# Altium PCB LPCB220R0.PcbDoc (part 2 of 4) (continued)
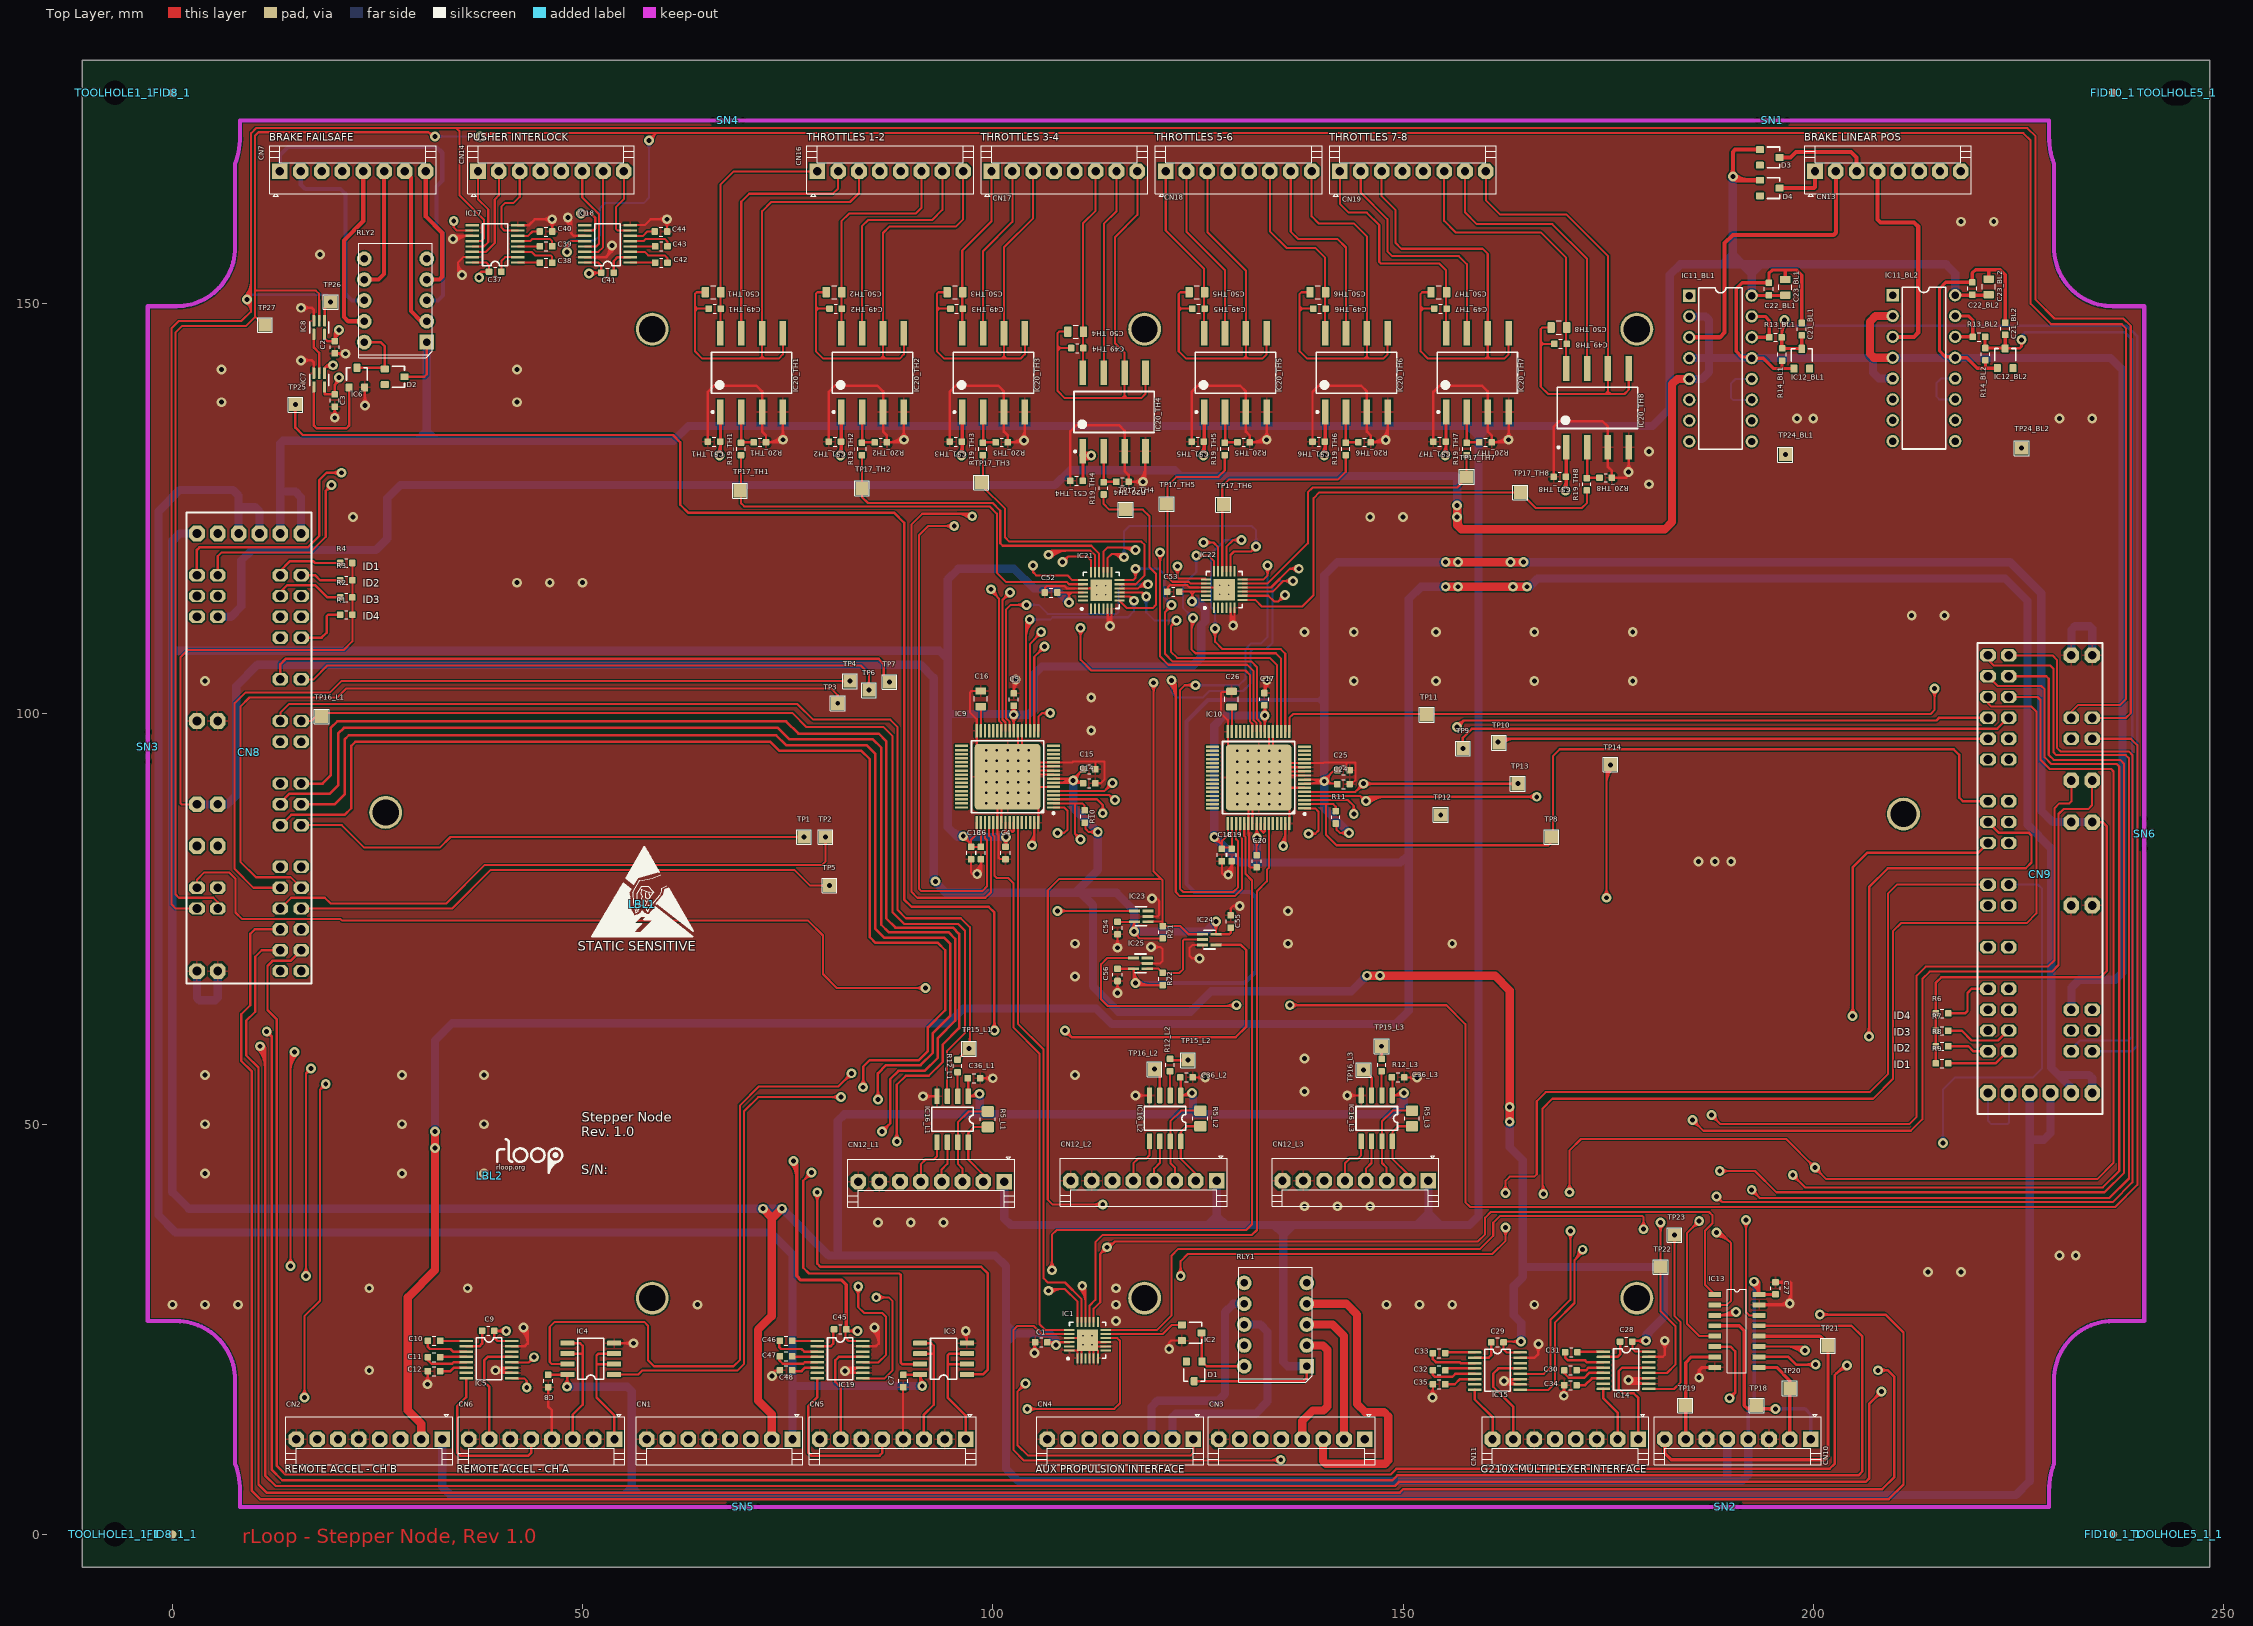
[diagram p0: Top Layer view]
## Nets (pads, with @x,y where several pads share a name; then routed paths per layer and width w, separated by ;. In a path a pad name is that pad's centre, name@x,y a point inside that pad or via, vN(x,y) a via of type N, cw(c..) or ccw(c..) an arc to the next point about the centre after c; other vN are vias at no path point) (continued)
  Top Layer w0.4: R14_BL2.2@220.94,144.65 R13_BL2.1@220.94,145.95 ; R14_BL2.2@220.99,144.6 IC12_BL2.3@223.34,144.6 ; IC12_BL2.3@223.39,144.55 C21_BL2.1@223.39,146.2
  Mid-Layer 1 w0.254: v1(19.4,127.9) 21.3,127.9 23,129.6 163.6,129.6 163.9,129.3 163.9,124.1 164.5,123.5 223.1,123.5 225.4,125.8 v1(225.4,145.6) ; v1@19.734,127.566 cw(c20.542,126.758) 20.542,127.9 cw(c20.542,129.042) v1@19.734,128.234 ; v1@225.066,145.266 cw(c224.258,144.458) 225.4,144.458 cw(c226.542,144.458) v1@225.734,145.266
  Bottom Layer w0.3: v1(225.4,145.6) 225.4,146.1 225.8,146.5 ; v1@225.519,145.691 cw(c225.862,145.952) 225.557,146.257 ; v1@225.758,145.873 cw(c226.138,146.162) 225.8,146.5 ; CN9.A11@231.46,58.88 231.46,59.16 232.5,60.2 238.4,60.2 238.9,60.7 238.9,145.6 238,146.5 225.8,146.5
  other v1: 225.4,132.4
CHA_ACCEL0_NINT: CN8.T2 IC19.9 | length 180
  Top Layer w0.254: v1@15.966,31.834 ccw(c15.158,32.642) 16.3,32.642 ccw(c17.442,32.642) v1@16.634,31.834 ; v1(16.3,31.5) 16.3,56.2 ; v1@16.44,56.691 cw(c15.929,56.571) 16.3,56.2 ; v1@16.791,56.34 ccw(c16.671,55.829) 16.3,56.2 ; v1(16.9,56.8) 16.3,56.2 ; IC19.9@84.175,19.025 86.825,19.025 87.8,20 87.8,28.4 87.3,28.9 v1(85.8,28.9) ; v1@86.134,28.566 cw(c86.942,27.758) 86.942,28.9 cw(c86.942,30.042) v1@86.134,29.234
  Mid-Layer 1 w0.254: CN8.T2@13.16,96.6 11.2,96.6 10.6,96 10.6,78.3 11.3,77.6 20.5,77.6 21.5,76.6 21.5,57.3 21,56.8 v1(16.9,56.8) ; v1(16.3,31.5) 17.8,33 81.3,33 81.9,32.4 81.9,29.4 82.4,28.9 v1(85.8,28.9) ; v1@16.3,31.973 ccw(c16.3,33.115) 17.107,32.307 ccw(c17.915,31.5) v1@16.773,31.5 ; v1@17.234,56.466 cw(c18.042,55.658) 18.042,56.8 cw(c18.042,57.942) v1@17.234,57.134 ; v1@85.466,28.566 ccw(c84.658,27.758) 84.658,28.9 ccw(c84.658,30.042) v1@85.466,29.234
CHA_ACCEL1_NINT: CN8.T5 IC19.12 | length 188.8
  Top Layer w0.254: v1@14.066,33.034 ccw(c13.258,33.842) 14.4,33.842 ccw(c15.542,33.842) v1@14.734,33.034 ; v1(14.4,32.7) 14.4,58.3 ; 14.4,56.451 cw(c17.249,56.451) v1@15.234,58.466 ; 14.4,57.064 cw(c16.636,57.064) v1@15.055,58.645 ; 14.4,57.677 cw(c16.023,57.677) v1@14.875,58.825 ; 14.4,58.291 cw(c15.409,58.291) v1@14.696,59.004 ; v1@14.463,58.619 cw(c14.194,58.506) 14.4,58.3 ; v1@14.719,58.363 ccw(c14.606,58.094) 14.4,58.3 ; v1(14.9,58.8) 14.4,58.3 ; v1@83.266,29.866 cw(c82.458,29.058) 83.6,29.058 cw(c84.742,29.058) v1@83.934,29.866 ; v1(83.6,30.2) 83.6,27.7 84.3,27 86.5,27 87,26.5 87,21.9 86.075,20.975 IC19.12@84.175,20.975
  Mid-Layer 1 w0.254: v1(14.4,32.7) 15.4,33.7 82.9,33.7 83.6,33 v1(83.6,30.2) ; v1@14.4,33.173 ccw(c14.4,34.315) 15.207,33.507 ccw(c16.015,32.7) v1@14.873,32.7 ; v1(14.9,58.8) 20,58.8 20.6,59.4 20.6,74.2 19.8,75 10.5,75 10,75.5 10,96.8 11.1,97.9 14.4,97.9 CN8.T5@15.7,96.6 ; v1@15.234,58.466 cw(c16.042,57.658) 16.042,58.8 cw(c16.042,59.942) v1@15.234,59.134 ; v1@83.266,30.534 ccw(c82.458,31.342) 83.6,31.342 ccw(c84.742,31.342) v1@83.934,30.534
CHA_AUXPROP_DIR: CN8.T6 IC1.10 | length 211.9
  Top Layer w0.254: v1@15.766,17.034 ccw(c14.958,17.842) 16.1,17.842 ccw(c17.242,17.842) v1@16.434,17.034 ; v1(16.1,16.7) 16.1,26.6 18,28.5 18,54.2 ; v1@18.23,54.85 cw(c17.435,54.765) 18,54.2 ; v1@18.65,54.43 ccw(c18.565,53.635) 18,54.2 ; v1(18.7,54.9) 18,54.2 ; v1(104.2,15.3) 114.8,15.3 115.5,16 115.5,23.6 115.175,23.925 IC1.10@113.775,23.925 ; v1@104.534,14.966 cw(c105.342,14.158) 105.342,15.3 cw(c105.342,16.442) v1@104.534,15.634
  Mid-Layer 1 w0.254: CN8.T6@13.16,91.52 11.62,91.52 11.3,91.2 11.3,80.7 11.9,80.1 21.5,80.1 22.9,78.7 22.9,55.7 22.1,54.9 v1(18.7,54.9) ; v1@16.1,16.227 cw(c16.1,15.085) 16.907,15.893 cw(c17.715,16.7) v1@16.573,16.7 ; v1(16.1,16.7) 17.5,15.3 v1(104.2,15.3) ; v1@19.034,54.566 cw(c19.842,53.758) 19.842,54.9 cw(c19.842,56.042) v1@19.034,55.234 ; v1@103.866,14.966 ccw(c103.058,14.158) 103.058,15.3 ccw(c103.058,16.442) v1@103.866,15.634
CHA_BRAKE1_DIR: CN8.T24 IC13.3 | length 322.1
  Top Layer w0.3: CN8.T24@13.16,71.2 10.9,71.2 10.1,70.4 10.1,63.7 9,62.6 9,58.4 10.5,56.9 10.5,6.1 11.5,5.1 149.6,5.1 150,5.5 208.4,5.5 209.9,7 209.9,19.2 209.1,20 v1(207.9,20) ; IC13.3@188,26.705 190.205,26.705 v1(190.6,27.1) ; IC13.3@188.56,26.705 ccw(c188.56,29.14) v1@190.282,27.418 ; 189.284,26.705 ccw(c189.284,28.416) v1@190.494,27.206 ; 190.009,26.705 ccw(c190.009,27.691) v1@190.706,26.994 ; v1@208.218,19.682 cw(c208.986,18.914) 208.986,20 cw(c208.986,21.086) v1@208.218,20.318
  Mid-Layer 1 w0.3: v1(190.6,27.1) 195.1,27.1 195.7,26.5 195.7,18.7 196.2,18.2 206.1,18.2 v1(207.9,20) ; v1@190.918,26.782 cw(c191.686,26.014) 191.686,27.1 cw(c191.686,28.186) v1@190.918,27.418 ; v1@207.45,20 cw(c206.364,20) 207.132,19.232 cw(c207.9,18.464) v1@207.9,19.55
CHA_BRAKE1_STEP: CN8.T25 IC13.10 | length 289.3
  Top Layer w0.3: CN8.T25@15.7,71.2 14.4,69.9 12.2,69.9 11.6,69.3 11.6,63.9 12.7,62.8 12.7,8.4 13.8,7.3 148.5,7.3 149.2,8 202,8 202.6,8.6 202.6,19.4 203.8,20.6 v1(204.1,20.6) ; IC13.10@193.4,21.625 196.975,21.625 197.9,20.7 v1(200.3,20.7) ; v1@199.982,20.382 ccw(c199.214,19.614) 199.214,20.7 ccw(c199.214,21.786) v1@199.982,21.018 ; 202.82,19.62 cw(c204.1,18.339) v1@204.1,20.15 ; 203.332,20.132 cw(c204.1,19.364) v1@204.1,20.45 ; 203.544,20.344 ccw(c203.288,20.6) v1@203.65,20.6
  Mid-Layer 1 w0.3: v1(200.3,20.7) 204,20.7 v1(204.1,20.6) ; v1@200.618,20.382 cw(c201.386,19.614) 201.386,20.7 cw(c201.386,21.786) v1@200.618,21.018 ; 202.772,20.7 cw(c202.772,19.272) v1@203.782,20.282 ; 203.255,20.7 ccw(c203.255,21.445) v1@203.782,20.918 ; 203.496,20.7 cw(c203.496,19.996) v1@203.994,20.494
CHA_BRAKE2_DIR: CN8.T26 IC13.6 | length 315.8
  Top Layer w0.3: v1@10.382,59.182 cw(c8.165,56.965) 11.3,56.965 ; v1@10.594,59.394 cw(c8.889,57.689) 11.3,57.689 ; v1@10.806,59.606 cw(c9.614,58.414) 11.3,58.414 ; v1@10.9,59.7 11.3,59.3 11.3,7.2 12.6,5.9 149,5.9 149.5,6.4 206.4,6.4 206.8,6.8 206.8,15.9 v1(208.3,17.4) ; v1@11.018,59.818 cw(c10.338,59.138) 11.3,59.138 ; IC13.6@188,22.895 189.905,22.895 190.5,22.3 190.5,17.3 ; v1(189.8,16.6) 190.5,17.3 ; v1@189.831,17.049 ccw(c189.889,17.911) 190.5,17.3 ; v1@190.249,16.631 cw(c191.111,16.689) 190.5,17.3 ; v1@207.85,17.4 cw(c206.764,17.4) 207.532,16.632 cw(c208.3,15.864) v1@208.3,16.95
  Mid-Layer 1 w0.3: v1@10.25,59.5 ccw(c9.164,59.5) 9.932,60.268 ccw(c10.7,61.036) v1@10.7,59.95 ; v1(10.7,59.5) 9.8,60.4 9.8,62.2 10.7,63.1 ; 12,63.1 10.7,63.1 ; CN8.T26@13.16,68.66 13.16,63.96 12.3,63.1 10.7,63.1 ; v1(189.8,16.6) 207.5,16.6 v1(208.3,17.4) ; v1@190.118,16.282 cw(c190.886,15.514) 190.886,16.6 cw(c190.886,17.686) v1@190.118,16.918 ; v1@207.85,17.4 cw(c206.764,17.4) 207.532,16.632 cw(c208.3,15.864) v1@208.3,16.95
CHA_BRAKE2_STEP: CN8.T27 IC13.13 | length 292.1
  Top Layer w0.3: v1(11.5,61.3) 12.1,60.7 ; v1@11.585,60.858 cw(c11.693,60.293) 12.1,60.7 ; v1@11.942,61.215 ccw(c12.507,61.107) 12.1,60.7 ; IC13.13@193.4,25.435 204.665,25.435 206,24.1 206,7.7 205.5,7.2 149.3,7.2 148.7,6.6 13.4,6.6 12.1,7.9 12.1,60.7
  Mid-Layer 1 w0.3: v1(11.5,61.3) 15.1,61.3 15.7,61.9 CN8.T27@15.7,68.66 ; v1@11.818,60.982 cw(c12.586,60.214) 12.586,61.3 cw(c12.586,62.386) v1@11.818,61.618
CHA_DAC_NCNVT: CN8.T21 IC9.3 TP5.1 | length 131
  Top Layer w0.254: CN8.T21@15.7,76.28 34.08,76.28 38.8,81 75.8,81 77.7,79.1 v1(80.1,79.1) ; TP5.1@79.766,78.766 ccw(c78.958,77.958) 78.958,79.1 ccw(c78.958,80.242) TP5.1@79.766,79.434 ; IC9.3@107.4,89.6 112.7,89.6 113.4,88.9 ; v1@113.1,88.266 ccw(c112.58,88.9) 113.4,88.9 ; v1(113.4,87.9) 113.4,88.9 ; v1@113.7,88.266 cw(c114.22,88.9) 113.4,88.9
  Mid-Layer 1 w0.254: v1@80.075,79.125 cw(c80.74,78.46) 80.74,79.4 ; v1(80.1,79.1) 80.4,79.4 86.8,79.4 88.4,81 94.1,81 94.7,80.4 94.7,78.7 95.1,78.3 100.7,78.3 101.3,78.9 113.7,78.9 114.4,79.6 114.4,86.5 113.4,87.5 v1(113.4,87.9) ; v1@80.255,78.945 cw(c81.353,77.847) 81.353,79.4 ; v1@80.434,78.766 cw(c81.966,77.234) 81.966,79.4 ; v1@113.365,87.902 ccw(c114.148,87.861) 113.593,87.307 ; v1@113.619,87.888 ccw(c114.914,87.82) 113.997,86.903 ; v1@113.872,87.875 ccw(c115.68,87.78) 114.4,86.5
CHA_DAC_NDAV: CN8.T11 IC9.2 R10.1 TP1.1 | length 123
  Top Layer w0.254: CN8.T11@15.7,86.44 20.66,86.44 23.4,83.7 32.6,83.7 33.9,85 v1(77,85) ; TP1.1@76.666,84.666 ccw(c75.858,83.858) 75.858,85 ccw(c75.858,86.142) TP1.1@76.666,85.334 ; IC9.2@107.4,89.1 110,89.1 ; v1@110.23,84.75 ccw(c109.435,84.835) 110,85.4 ; v1@110.65,85.17 cw(c110.565,85.965) 110,85.4 ; v1(110.7,84.7) 110,85.4 ; R10.1@111.2,88.25 111.2,88.8 110.9,89.1 110,89.1 ; 110,85.4 110,89.1
  Mid-Layer 1 w0.254: v1@76.666,84.666 cw(c75.858,83.858) 77,83.858 cw(c78.142,83.858) v1@77.334,84.666 ; v1(77,85) 77,82.5 77.8,81.7 88.9,81.7 94.8,81.7 95.4,81.1 95.4,79.1 95.7,78.8 100.615,78.8 101.215,79.4 110.1,79.4 110.7,80 v1(110.7,84.7) ; v1@110.366,84.366 cw(c109.558,83.558) 110.7,83.558 cw(c111.842,83.558) v1@111.034,84.366
CHA_DAC_NRST: CN8.T20 IC9.1 TP2.1 | length 123.1
  Top Layer w0.254: CN8.T20@13.16,76.28 14.48,77.6 18.6,77.6 19.3,76.9 33.4,76.9 38.1,81.6 79.2,81.6 79.6,82 v1(79.6,85) ; TP2.1@79.266,84.666 cw(c78.458,83.858) 79.6,83.858 cw(c80.742,83.858) TP2.1@79.934,84.666 ; IC9.1@107.4,88.6 108.7,88.6 109.1,88.2 109.1,85.9 108.7,85.5 ; v1(107.9,85.5) 108.7,85.5 ; v1@108.314,85.272 cw(c108.7,85.06) 108.7,85.5 ; v1@108.314,85.728 ccw(c108.7,85.94) 108.7,85.5
  Mid-Layer 1 w0.254: v1@79.266,84.666 cw(c78.458,83.858) 79.6,83.858 cw(c80.742,83.858) v1@79.934,84.666 ; v1(79.6,85) 79.6,82.6 80,82.2 89.7,82.2 95.4,82.2 96,81.6 96,79.6 96.3,79.3 100.2,79.3 100.9,80 107.6,80 107.9,80.3 v1(107.9,85.5) ; v1@107.566,85.166 cw(c106.758,84.358) 107.9,84.358 cw(c109.042,84.358) v1@108.234,85.166
CHA_I2C_SCL: CN8.SCL IC3.7 IC9.5 TP6.1 | length 256.6
  Top Layer w0.254: CN8.SCL@15.7,104.22 17.22,104.22 18.9,105.9 83.9,105.9 84.9,104.9 v1(84.9,102.9) ; TP6.1@84.566,103.234 ccw(c83.758,104.042) 84.9,104.042 ccw(c86.042,104.042) TP6.1@85.234,103.234 ; IC9.5@107.4,90.6 113.6,90.6 v1(114.6,91.6) ; v1@114.127,91.6 cw(c112.985,91.6) 113.793,90.793 cw(c114.6,89.985) v1@114.6,91.127
  Top Layer w0.3: v1@77.45,44.1 cw(c76.364,44.1) 77.132,43.332 cw(c77.9,42.564) v1@77.9,43.65 ; v1(77.9,44.1) 76.9,43.1 76.9,32.5 77.6,31.8 88.6,31.8 88.8,31.6 88.8,20.9 88.935,20.765 IC3.7@91.15,20.765
  Mid-Layer 1 w0.254: v1(84.9,102.9) 85.5,102.3 88.6,102.3 89.3,103 89.3,104.5 89.6,104.8 98.6,104.8 99.7,105.9 113.6,105.9 114.6,104.9 114.6,96.7 v1(114.6,91.6) ; v1@114.266,91.934 ccw(c113.458,92.742) 114.6,92.742 ccw(c115.742,92.742) v1@114.934,91.934
  Mid-Layer 1 w0.3: v1@77.582,44.418 ccw(c76.814,45.186) 77.9,45.186 ccw(c78.986,45.186) v1@78.218,44.418 ; v1(77.9,44.1) 77.9,59.8 79.1,61 88.1,61 89.4,62.3 89.4,77 89.8,77.4 101.3,77.4 102.2,78.3 114.3,78.3 115,79 115,87.8 113.8,89 113.8,90.8 v1(114.6,91.6) ; v1@114.15,91.6 cw(c113.064,91.6) 113.832,90.832 cw(c114.6,90.064) v1@114.6,91.15
CHA_I2C_SDA: CN8.SDA IC3.1 IC9.4 TP7.1 | length 273
  Top Layer w0.254: IC9.4@107.4,90.1 114.2,90.1 ; v1@114.427,89.519 ccw(c113.65,89.55) 114.2,90.1 ; v1@114.768,89.954 cw(c114.607,90.507) 114.2,90.1 ; v1(114.9,89.5) 114.8,89.5 114.2,90.1
  Top Layer w0.3: CN8.SDA@13.16,104.22 13.16,106.06 13.8,106.7 86.1,106.7 86.7,106.1 86.7,104.6 v1(87.4,103.9) ; v1@78.282,41.382 cw(c77.514,40.614) 78.6,40.614 cw(c79.686,40.614) v1@78.918,41.382 ; v1(78.6,41.7) 78.6,33 79,32.6 98.6,32.6 99.4,31.8 99.4,20.1 98.795,19.495 IC3.1@96.85,19.495 ; TP7.1@86.951,103.931 ccw(c86.089,103.989) 86.7,104.6 ccw(c87.311,105.211) TP7.1@87.369,104.349
  Mid-Layer 1 w0.3: v1(78.6,41.7) 79.9,43 79.9,59.3 80.4,59.8 89.6,59.8 90.4,60.6 90.4,75.7 91.4,76.7 102.1,76.7 103.1,77.7 116.4,77.7 117.1,78.4 117.1,89.9 ; v1@78.6,42.15 ccw(c78.6,43.236) 79.368,42.468 ccw(c80.136,41.7) v1@79.05,41.7 ; v1(87.4,103.9) 88.9,105.4 98.2,105.4 99.3,106.5 116.2,106.5 117.1,105.6 117.1,97.6 117.1,89.9 ; v1@87.4,104.35 ccw(c87.4,105.436) 88.168,104.668 ccw(c88.936,103.9) v1@87.85,103.9 ; v1(114.9,89.5) 116.7,89.5 117.1,89.9 ; v1@115.218,89.182 cw(c115.986,88.414) 115.986,89.5 cw(c115.986,90.586) v1@115.218,89.818
CHA_NDSC_CLR0: CN8.T16 IC9.17 TP4.1 | length 147.8
  Top Layer w0.254: CN8.T16@13.16,78.82 9.88,78.82 7.6,81.1 7.6,101.3 8.9,102.6 19.2,102.6 20.6,104 v1(82.6,104) ; TP4.1@82.266,103.666 ccw(c81.458,102.858) 81.458,104 ccw(c81.458,105.142) TP4.1@82.266,104.334 ; IC9.17@105.55,97.95 105.55,99.65 106,100.1 ; v1@106.634,99.8 ccw(c106,99.28) 106,100.1 ; v1@106.634,100.4 cw(c106,100.92) 106,100.1 ; v1(107,100.1) 106,100.1
  Mid-Layer 1 w0.254: v1@82.266,103.666 cw(c81.458,102.858) 82.6,102.858 cw(c83.742,102.858) v1@82.934,103.666 ; v1(82.6,104) 82.6,101.9 83.4,101.1 89.2,101.1 89.9,101.8 89.9,103.8 90.4,104.3 99.1,104.3 100.2,105.4 106.5,105.4 107,104.9 v1(107,100.1) ; v1@106.666,100.434 ccw(c105.858,101.242) 107,101.242 ccw(c108.142,101.242) v1@107.334,100.434
CHA_NDSC_CLR1: CN8.T17 IC9.63 TP3.1 | length 157
  Top Layer w0.254: CN8.T17@15.7,78.82 14.42,80.1 10.2,80.1 8.3,82 8.3,100.9 9.4,102 20.1,102 21.2,103.1 80.3,103.1 81.1,102.3 ; TP3.1@80.8,101.666 ccw(c80.28,102.3) 81.1,102.3 ; v1(81.1,101.3) 81.1,102.3 ; TP3.1@81.4,101.666 cw(c81.92,102.3) 81.1,102.3 ; v1@104.466,84.334 ccw(c103.055,85.745) 105.05,85.745 ; v1@104.645,84.155 ccw(c103.668,85.132) 105.05,85.132 ; v1(104.8,84) 105.05,84.25 IC9.63@105.05,86.75
  Mid-Layer 1 w0.254: v1@80.766,100.966 cw(c79.958,100.158) 81.1,100.158 cw(c82.242,100.158) v1@81.434,100.966 ; v1(81.1,101.3) 81.1,99 81.9,98.2 105.8,98.2 106.6,97.4 106.6,85.5 105.1,84 v1(104.8,84) ; v1@104.8,84.219 ccw(c104.8,85.472) 105.686,84.586 ; v1@104.8,84.473 ccw(c104.8,86.339) 106.12,85.02 ; v1@105.273,84 cw(c105.691,84) 105.395,84.295
CHA_WDT_PULSE: CN8.T28 IC23.4 | length 145.4
  Top Layer w0.254: CN8.T28@3,78.82 3,79.8 3.9,80.7 6.9,80.7 7.7,79.9 7.7,75.8 8.5,75 20.5,75 20.7,74.8 77.5,74.8 79.3,73 79.3,68.3 81,66.6 v1(91.8,66.6) ; v1@91.466,66.266 ccw(c90.658,65.458) 90.658,66.6 ccw(c90.658,67.742) v1@91.466,66.934 ; v1(107.9,76) 107.92,75.98 IC23.4@117.262,75.98 ; v1@108.234,75.666 cw(c108.993,74.907) 108.993,75.98 ; v1@108.234,76.334 ccw(c109.091,77.191) 109.091,75.98
  Mid-Layer 1 w0.254: v1@91.466,66.934 ccw(c90.658,67.742) 91.8,67.742 ccw(c92.942,67.742) v1@92.134,66.934 ; v1(91.8,66.6) 91.8,74.3 92.3,74.8 ; 95.5,74.8 92.3,74.8 ; v1@107.566,75.666 ccw(c106.758,74.858) 106.758,76 ccw(c106.758,77.142) v1@107.566,76.334 ; v1(107.9,76) 99.6,76 98.4,74.8 92.3,74.8
CHB_ACCEL0_NINT: CN9.T2 IC5.9 | length 255.2
  Top Layer w0.254: IC5.9@41.375,19.025 42.875,19.025 43.2,18.7 ; v1@42.972,18.314 ccw(c42.76,18.7) 43.2,18.7 ; v1(43.2,17.9) 43.2,18.7 ; v1@43.428,18.314 cw(c43.64,18.7) 43.2,18.7
  Mid-Layer 1 w0.254: v1@42.866,17.566 cw(c42.058,16.758) 43.2,16.758 cw(c44.342,16.758) v1@43.534,17.566 ; v1(43.2,17.9) 43.2,16.2 43.6,15.8 101.8,15.8 102.5,16.5 123.4,16.5 123.9,17 123.9,31.1 124.9,32.1 183.4,32.1 184.4,33.1 184.4,38.5 187.3,41.4 187.3,46.4 188,47.1 215.2,47.1 v1(215.8,47.7)
  Bottom Layer w0.254: v1@215.466,48.034 ccw(c214.658,48.842) 215.8,48.842 ccw(c216.942,48.842) v1@216.134,48.034 ; v1(215.8,47.7) 215.8,54.2 217.3,55.7 226.8,55.7 227.9,56.8 227.9,78.7 227.4,79.2 CN9.T2@223.84,79.2
CHB_ACCEL1_NINT: CN9.T5 IC5.12 | length 255.5
  Top Layer w0.254: IC5.12@41.375,20.975 43.475,20.975 ; v1@43.636,21.507 cw(c43.058,21.392) 43.475,20.975 ; v1@44.007,21.136 ccw(c43.892,20.558) 43.475,20.975 ; v1(44.1,21.6) 43.475,20.975 ; v1@122.566,31.834 ccw(c121.758,32.642) 122.9,32.642 ccw(c124.042,32.642) v1@123.234,31.834 ; v1(122.9,31.5) 122.9,33.3 123.8,34.2 160.9,34.2 162.5,35.8 v1(162.5,37.4) ; v1@162.166,37.066 cw(c161.358,36.258) 162.5,36.258 cw(c163.642,36.258) v1@162.834,37.066 ; v1@162.166,41.934 ccw(c161.358,42.742) 162.5,42.742 ccw(c163.642,42.742) v1@162.834,41.934 ; v1(162.5,41.6) 162.5,43.1 163,43.6 166,43.6 166.3,43.9 166.3,52.8 167.4,53.9 206.9,53.9 209.1,56.1 209.1,78.1 210.2,79.2 CN9.T5@221.3,79.2
  Mid-Layer 1 w0.254: v1@43.766,21.934 ccw(c42.958,22.742) 44.1,22.742 ccw(c45.242,22.742) v1@44.434,21.934 ; v1(44.1,21.6) 44.1,31.6 44.6,32.1 80.3,32.1 80.5,31.9 80.5,28.8 81.6,27.7 106.6,27.7 110.8,31.9 122.5,31.9 v1(122.9,31.5) ; 120.792,31.9 cw(c120.792,29.392) v1@122.566,31.166 ; 121.406,31.9 cw(c121.406,30.006) v1@122.745,31.345 ; 122.019,31.9 cw(c122.019,30.619) v1@122.925,31.525 ; v1@162.166,37.734 ccw(c161.358,38.542) 162.5,38.542 ccw(c163.642,38.542) v1@162.834,37.734 ; v1@162.166,41.266 cw(c161.358,40.458) 162.5,40.458 cw(c163.642,40.458) v1@162.834,41.266 ; v1(162.5,37.4) v1(162.5,41.6)
CHB_AUXPROP_DIR: CN9.T6 IC1.12 | length 178.4
  Top Layer w0.254: IC1.12@113.775,24.925 120.025,24.925 121.8,26.7 121.8,34 122.6,34.8 159.4,34.8 161,36.4 161,38 161.8,38.8 179.2,38.8 179.3,38.7 v1(179.3,37.2) ; v1@178.966,37.534 ccw(c178.158,38.342) 179.3,38.342 ccw(c180.442,38.342) v1@179.634,37.534
  Mid-Layer 1 w0.254: v1(179.3,37.2) 180.1,38 ; v1@179.303,37.673 ccw(c179.311,38.789) 180.1,38 ; v1@179.773,37.203 cw(c180.889,37.211) 180.1,38 ; CN9.T6@223.84,84.28 229.12,84.28 229.6,83.8 229.6,58 228.3,56.7 219.4,56.7 215.7,53 184.6,53 183.9,52.3 183.9,44.3 180.1,40.5 180.1,38
CHB_BRAKE1_DIR: CN9.T24 IC13.2 | length 155.7
  Top Layer w0.254: IC13.2@188,27.975 189.475,27.975 190,28.5 190,35.5 188.7,36.8 v1(188.2,36.8) ; v1@188.2,36.327 cw(c188.2,33.978) 189.861,35.639 ; v1@188.2,36.581 cw(c188.2,34.845) 189.427,36.073 ; v1@188.2,36.835 cw(c188.2,35.712) 188.994,36.506 ; v1(188.6,44.3) 192.9,44.3 195.5,41.7 235.5,41.7 237.9,44.1 237.9,93.9 237.4,94.4 229.3,94.4 228.7,95 228.7,104.3 228.4,104.6 CN9.T24@223.84,104.6 ; v1@188.934,43.966 cw(c189.742,43.158) 189.742,44.3 cw(c189.742,45.442) v1@188.934,44.634
  Mid-Layer 1 w0.254: v1(188.2,36.8) 189.4,38 189.4,43 ; v1@188.2,37.273 ccw(c188.2,38.415) 189.007,37.607 ccw(c189.815,36.8) v1@188.673,36.8 ; v1@188.566,44.308 ccw(c189.256,44.146) 188.755,43.645 ; v1(188.6,44.3) 188.6,43.8 189.4,43 ; v1@188.813,44.25 ccw(c189.778,44.024) 189.077,43.323 ; v1@189.06,44.192 ccw(c190.301,43.901) 189.4,43
CHB_BRAKE1_STEP: CN9.T25 IC13.11 | length 155.9
  Top Layer w0.254: IC13.11@193.4,22.895 198.505,22.895 ; 196.663,22.895 cw(c196.663,20.063) v1@198.666,22.066 ; 197.276,22.895 cw(c197.276,20.676) v1@198.845,22.245 ; v1@197.5,43.327 cw(c197.5,42.185) 198.307,42.993 cw(c199.115,43.8) v1@197.973,43.8 ; v1(197.5,43.8) 199,42.3 235.3,42.3 237.3,44.3 237.3,93.6 237,93.9 229,93.9 228.2,94.7 228.2,103 227.8,103.4 222.5,103.4 CN9.T25@221.3,104.6 ; 197.889,22.895 cw(c197.889,21.289) v1@199.025,22.425 ; 198.503,22.895 cw(c198.503,21.903) v1@199.204,22.604 ; v1@198.565,22.586 ccw(c198.306,22.696) 198.505,22.895 ; v1@198.814,22.835 cw(c198.704,23.094) 198.505,22.895 ; v1(199,22.4) 198.505,22.895
  Mid-Layer 1 w0.254: v1@197.166,43.466 cw(c196.358,42.658) 197.5,42.658 cw(c198.642,42.658) v1@197.834,43.466 ; v1(197.5,43.8) 197.5,37.3 199,35.8 v1(199,22.4) ; v1@198.666,22.734 ccw(c197.858,23.542) 199,23.542 ccw(c200.142,23.542) v1@199.334,22.734
CHB_BRAKE2_DIR: CN9.T26 IC13.5 | length 158.2
  Top Layer w0.254: v1@185.627,38.2 cw(c184.485,38.2) 185.293,37.393 cw(c186.1,36.585) v1@186.1,37.727 ; v1(186.1,38.2) 184.6,36.7 184.6,25.7 186.135,24.165 IC13.5@188,24.165 ; v1(188.2,41.2) 188.9,40.5 ; v1@188.25,40.73 cw(c188.335,39.935) 188.9,40.5 ; v1@188.67,41.15 ccw(c189.465,41.065) 188.9,40.5 ; CN9.T26@223.84,107.14 229.16,107.14 229.7,106.6 229.7,95.9 230.2,95.4 238.5,95.4 238.9,95 238.9,42.9 236.5,40.5 188.9,40.5
  Mid-Layer 1 w0.254: v1(186.1,38.2) 187,38.2 ; v1@186.49,37.932 cw(c187,37.58) 187,38.2 ; v1@186.49,38.468 ccw(c187,38.82) 187,38.2 ; v1@187.866,40.866 cw(c187.058,40.058) 188.2,40.058 cw(c189.342,40.058) v1@188.534,40.866 ; v1(188.2,41.2) 188.2,39.4 187,38.2
CHB_BRAKE2_STEP: CN9.T27 IC13.14 | length 151
  Top Layer w0.254: v1@191.466,37.966 cw(c190.658,37.158) 191.8,37.158 cw(c192.942,37.158) v1@192.134,37.966 ; v1(191.8,38.3) 191.8,27.1 192.195,26.705 IC13.14@193.4,26.705 ; v1@192.5,41.527 cw(c192.5,40.385) 193.307,41.193 cw(c194.115,42) v1@192.973,42 ; v1(192.5,42) 193.5,41 236.1,41 238.486,43.386 238.486,94.6 238.1,94.986 229.614,94.986 229.286,95.314 229.286,105.514 228.9,105.9 222,105.9 221.3,106.6 CN9.T27@221.3,107.14
  Mid-Layer 1 w0.254: v1(191.8,38.3) 192.5,39 ; v1@191.85,38.77 ccw(c191.935,39.565) 192.5,39 ; v1@192.166,41.666 cw(c191.358,40.858) 192.5,40.858 cw(c193.642,40.858) v1@192.834,41.666 ; v1@192.27,38.35 cw(c193.065,38.435) 192.5,39 ; v1(192.5,42) 192.5,39
CHB_DAC_NCNVT: CN9.T21 IC10.3 TP12.1 | length 101.2
  Top Layer w0.254: IC10.3@138,89.5 143.3,89.5 144,88.8 ; v1@143.7,88.166 ccw(c143.18,88.8) 144,88.8 ; v1(144,87.8) 144,88.8 ; v1@144.3,88.166 cw(c144.82,88.8) 144,88.8
  Top Layer w0.3: v1(156.6,98.4) 157.4,99.2 215,99.2 215.32,99.52 CN9.T21@221.3,99.52 ; v1@156.6,98.85 ccw(c156.6,99.936) 157.368,99.168 ccw(c158.136,98.4) v1@157.05,98.4
  Mid-Layer 1 w0.3: v1(144,87.8) 154.8,87.8 155.8,88.8 155.8,97.6 v1(156.6,98.4) ; v1@144.318,87.482 cw(c145.086,86.714) 145.086,87.8 cw(c145.086,88.886) v1@144.318,88.118 ; v1@156.15,98.4 cw(c155.064,98.4) 155.832,97.632 cw(c156.6,96.864) v1@156.6,97.95
  other v1: 154.6,87.7
CHB_DAC_NDAV: CN9.T11 IC10.2 R11.1 TP8.1 | length 106
  Top Layer w0.254: IC10.2@138,89 140.6,89 ; R11.1@141.8,88.15 141.8,88.7 141.5,89 140.6,89 ; 169.1,95.7 168.3,94.9 168.3,84.6 167.7,84 141.9,84 140.6,85.3 140.6,89
  Top Layer w0.3: 169.1,95.7 217.1,95.7 217.8,95 217.8,89.8 218.24,89.36 CN9.T11@221.3,89.36
CHB_DAC_NRST: CN9.T20 IC10.1 TP9.1 | length 114.7
  Top Layer w0.254: IC10.1@138,88.5 139.3,88.5 139.7,88.1 139.7,85.8 139.3,85.4 ; v1(138.5,85.4) 139.3,85.4 ; v1@138.914,85.172 cw(c139.3,84.96) 139.3,85.4 ; v1@138.914,85.628 ccw(c139.3,85.84) 139.3,85.4
  Top Layer w0.3: TP9.1@156.982,96.118 ccw(c156.214,96.886) 157.3,96.886 ccw(c158.386,96.886) TP9.1@157.618,96.118 ; v1(157.3,95.8) 157.3,97.1 158.4,98.2 222.4,98.2 223.72,99.52 CN9.T20@223.84,99.52
  Mid-Layer 1 w0.3: v1@138.182,85.082 cw(c137.414,84.314) 138.5,84.314 cw(c139.586,84.314) v1@138.818,85.082 ; v1(138.5,85.4) 138.5,83.3 139.7,82.1 155.9,82.1 157.3,83.5 v1(157.3,95.8) ; v1@156.982,95.482 cw(c156.214,94.714) 157.3,94.714 cw(c158.386,94.714) v1@157.618,95.482
CHB_I2C_SCL: CN9.SCL IC4.7 IC10.5 TP13.1 | length 337.4
  Top Layer w0.254: IC4.7@48.15,20.765 46.235,20.765 46,21 46,25.3 46.6,25.9 57.5,25.9 58,25.4 58,21.2 58.7,20.5 68.4,20.5 69.2,21.3 69.2,52.3 71.5,54.6 81.2,54.6 v1(82.8,56.2) ; v1@82.327,56.2 cw(c81.185,56.2) 81.993,55.393 cw(c82.8,54.585) v1@82.8,55.727 ; IC10.5@138,90.5 144.2,90.5 v1(145.2,91.5) ; v1@144.727,91.5 cw(c143.585,91.5) 144.393,90.693 cw(c145.2,89.885) v1@145.2,91.027
  Top Layer w0.3: v1(145.2,91.5) v1(164,91.5) ; v1@145.518,91.182 cw(c146.286,90.414) 146.286,91.5 cw(c146.286,92.586) v1@145.518,91.818 ; TP13.1@163.682,91.182 ccw(c162.914,90.414) 162.914,91.5 ccw(c162.914,92.586) TP13.1@163.682,91.818
  Mid-Layer 1 w0.254: v1@82.466,56.534 ccw(c81.658,57.342) 82.8,57.342 ccw(c83.942,57.342) v1@83.134,56.534 ; v1(82.8,56.2) 82.8,57.6 83.3,58.1 92.2,58.1 92.6,58.5 92.6,61.8 93.7,62.9 111.6,62.9 112.2,62.3 140.6,62.3 141.9,63.6 141.9,75.6 142.3,76 175.2,76 176.2,77 176.2,91.1
  Mid-Layer 1 w0.3: v1@163.682,91.182 cw(c162.914,90.414) 164,90.414 cw(c165.086,90.414) v1@164.318,91.182 ; v1(164,91.5) 164,88.4 164.5,87.9 166.9,87.9 170.1,91.1 176.2,91.1 204,91.1 205.2,89.9 205.2,82.9 206.2,81.9 227.4,81.9 228.1,81.2 228.1,73.6 227.6,73.1 221.6,73.1 221.3,72.8 CN9.SCL@221.3,71.58
CHB_I2C_SDA: CN9.SDA IC4.1 IC10.4 TP14.1 | length 334.8
  Top Layer w0.254: IC4.1@53.85,19.495 56.795,19.495 57.3,20 68.9,20 69.7,20.8 69.7,51.6 71.4,53.3 v1(81.5,53.3) ; v1@81.166,52.966 ccw(c80.358,52.158) 80.358,53.3 ccw(c80.358,54.442) v1@81.166,53.634 ; IC10.4@138,90 144.8,90 ; v1@145.027,89.419 ccw(c144.25,89.45) 144.8,90 ; v1@145.368,89.854 cw(c145.207,90.407) 144.8,90 ; v1(145.5,89.4) 145.4,89.4 144.8,90 ; v1@174.466,77.934 ccw(c173.658,78.742) 174.8,78.742 ccw(c175.942,78.742) v1@175.134,77.934 ; v1(174.8,77.6) TP14.1@174.8,93.3 ; 174.8,91.451 cw(c177.649,91.451) TP14.1@175.634,93.466 ; 174.8,92.064 cw(c177.036,92.064) TP14.1@175.455,93.645 ; 174.8,92.677 cw(c176.423,92.677) TP14.1@175.275,93.825 ; TP14.1@174.8,93.291 cw(c175.809,93.291) TP14.1@175.096,94.004 ; TP14.1@174.863,93.619 cw(c174.594,93.506) TP14.1@174.8,93.3 ; TP14.1@175.119,93.363 ccw(c175.006,93.094) TP14.1@174.8,93.3 ; v1(175.3,93.8) TP14.1@174.8,93.3
  Top Layer w0.3: v1@145.394,89.506 cw(c146.345,88.555) 146.345,89.9 ; v1@145.4,89.4 145.9,89.9 ; v1@145.606,89.294 cw(c147.069,87.831) 147.069,89.9 ; v1@145.628,89.831 ccw(c145.707,90.093) 145.9,89.9 ; v1@145.818,89.082 cw(c147.794,87.106) 147.794,89.9 ; v1@145.875,89.649 cw(c146.041,89.759) 145.9,89.9 ; v1@165.982,89.582 ccw(c165.214,88.814) 165.214,89.9 ccw(c165.214,90.986) v1@165.982,90.218 ; v1(166.3,89.9) 145.9,89.9
  Mid-Layer 1 w0.254: v1@81.166,53.634 ccw(c80.117,54.683) 81.6,54.683 ; v1@81.345,53.455 ccw(c80.73,54.07) 81.6,54.07 ; v1(81.5,53.3) 81.6,53.4 81.6,58.2 82.2,58.8 91.4,58.8 91.9,59.3 91.9,62.2 93.2,63.5 112.2,63.5 112.8,62.9 140.1,62.9 141.2,64 141.2,75.9 142.1,76.8 174,76.8 ; 81.6,54.2 ccw(c82.4,54.2) v1@81.834,53.634 ; v1@174.327,77.597 cw(c173.211,77.589) 174,76.8 ; v1@174.797,77.127 ccw(c174.789,76.011) 174,76.8 ; v1(174.8,77.6) 174,76.8 ; v1@174.966,93.466 cw(c174.158,92.658) 175.3,92.658 cw(c176.442,92.658) v1@175.634,93.466 ; 175.2,92 175.3,92.1 v1(175.3,93.8)
  Mid-Layer 1 w0.3: v1(166.3,89.9) 168.4,92 175.2,92 204.8,92 206.1,90.7 206.1,83.7 207.2,82.6 228.2,82.6 228.7,82.1 228.7,72.8 227.48,71.58 CN9.SDA@223.84,71.58 ; v1@166.3,90.35 ccw(c166.3,91.436) 167.068,90.668 ccw(c167.836,89.9) v1@166.75,89.9
CHB_NDSC_CLR0: CN9.T16 IC10.17 TP11.1 | length 108.8
  Top Layer w0.254: IC10.17@136.15,97.85 136.15,99.55 136.6,100 214.3,100 214.8,100.5 v1(214.8,103.1) ; v1@214.466,102.766 cw(c213.658,101.958) 214.8,101.958 cw(c215.942,101.958) v1@215.134,102.766
  Mid-Layer 1 w0.254: v1@214.775,103.125 cw(c215.44,102.46) 215.44,103.4 ; v1(214.8,103.1) 215.1,103.4 225.9,103.4 226.3,103 226.3,97.5 225.78,96.98 CN9.T16@223.84,96.98 ; v1@214.955,102.945 cw(c216.053,101.847) 216.053,103.4 ; v1@215.134,102.766 cw(c216.666,101.234) 216.666,103.4
CHB_NDSC_CLR1: CN9.T17 IC10.63 TP10.1 | length 115.8
  Top Layer w0.254: v1@135.066,84.234 ccw(c133.655,85.645) 135.65,85.645 ; v1@135.245,84.055 ccw(c134.268,85.032) 135.65,85.032 ; v1(135.4,83.9) 135.65,84.15 IC10.63@135.65,86.65
  Top Layer w0.3: TP10.1@161.494,96.706 cw(c162.155,96.045) TP10.1@162.155,96.98 ; v1(161.6,96.6) 161.98,96.98 CN9.T17@221.3,96.98 ; TP10.1@161.706,96.494 cw(c162.88,95.32) 162.88,96.98 ; TP10.1@161.918,96.282 cw(c163.604,94.596) 163.604,96.98
  Mid-Layer 1 w0.3: v1@135.082,83.582 cw(c134.314,82.814) 135.4,82.814 cw(c136.486,82.814) v1@135.718,83.582 ; v1(135.4,83.9) 135.4,81.8 136.1,81.1 159.9,81.1 161.6,82.8 v1(161.6,96.6) ; v1@161.282,96.282 cw(c160.514,95.514) 161.6,95.514 cw(c162.686,95.514) v1@161.918,96.282
CHB_WDT_PULSE: CN9.T28 IC25.4 | length 226.8
  Top Layer w0.254: IC25.4@117.175,70.25 113.95,70.25 113.2,69.5 113.2,65.2 114,64.4 129.6,64.4 v1(129.7,64.5) ; 128.317,64.4 ccw(c128.317,65.883) v1@129.366,64.834 ; 128.8,64.4 cw(c128.8,63.6) v1@129.366,64.166 ; 128.93,64.4 ccw(c128.93,65.27) v1@129.545,64.655 ; v1(136.2,64.5) 155.3,64.5 157.6,62.2 157.6,40.5 158.2,39.9 236.8,39.9 239.5,42.6 239.5,96.2 238.72,96.98 CN9.T28@234,96.98 ; v1@136.534,64.166 cw(c137.342,63.358) 137.342,64.5 cw(c137.342,65.642) v1@136.534,64.834
  Mid-Layer 1 w0.254: v1(129.7,64.5) v1(136.2,64.5) v1@136.4,64.5 ; v1@130.034,64.166 cw(c130.842,63.358) 130.842,64.5 cw(c130.842,65.642) v1@130.034,64.834 ; v1@135.866,64.166 ccw(c135.058,63.358) 135.058,64.5 ccw(c135.058,65.642) v1@135.866,64.834